# Altium PCB BMS_Slave-X+Y.PcbDoc (part 3 of 3)
Units mil, origin at the board's own origin, x right, y up, seen from the top; angles counter-clockwise.
Board outline 10980 x 2910 mil, 2 copper layers (Top Layer, Bottom Layer); 344 components, 227 nets, 912 pads, 532 vias.
Unrouted connection lines stored in the file: 1.
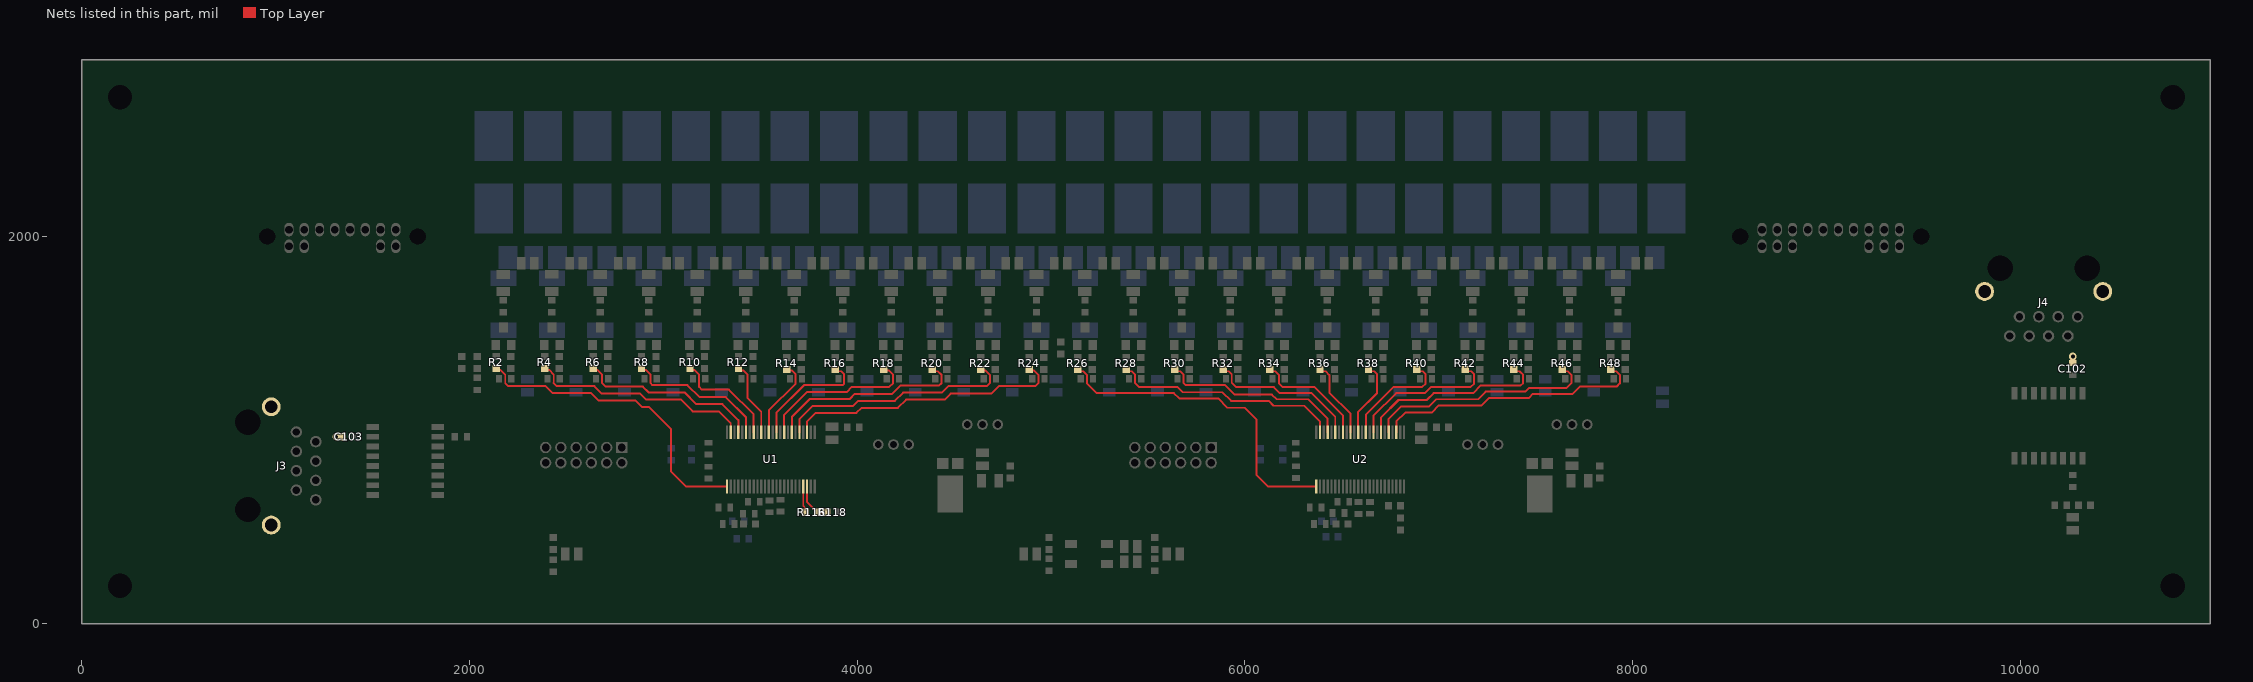
[diagram p3: the nets of this part, all layers, seen from the top]

## Via types
v1: diameter 25, hole 16, Top Layer to Bottom Layer, tented both sides, 246 vias
v2: diameter 39, hole 20, Top Layer to Bottom Layer, tented both sides, 183 vias
v3: diameter 25, hole 12, Top Layer to Bottom Layer, tented both sides, 62 vias
v4: diameter 39, hole 20, Top Layer to Bottom Layer, tented bottom, 25 vias
v5: diameter 25, hole 16, Top Layer to Bottom Layer, tented bottom, 12 vias
v6: diameter 50, hole 25, Top Layer to Bottom Layer, tented bottom, 4 vias

## Nets (pads, with @x,y where several pads share a name; then routed paths per layer and width w, separated by ;. In a path a pad name is that pad's centre, name@x,y a point inside that pad or via, vN(x,y) a via of type N, cw(c..) or ccw(c..) an arc to the next point about the centre after c; other vN are vias at no path point) (continued)
NetR116_1: R116.1 U1.45 | length 139.6
  Top Layer w10: U1.45@3721.73,708.9 3721.73,608.27 3735.5,594.5 R116.1@3735.5,575
NetR116_2: R116.2 R118.1 U1.46 | length 206.9
  Top Layer w10: U1.46@3741.42,708.9 3741.42,628.08 3794.5,575 R118.1@3845.5,575
S1: R2.1 U1.25 | length 1597.7
  Top Layer w10: R2.1@2137.6,1319.16 2148.1,1308.66 2161.29,1308.66 2184.4,1285.55 2184.4,1241.78 2200,1226.18 2392.48,1226.18 2428.48,1190.18 2627.54,1190.18 2666.06,1151.66 2857,1151.66 2890,1118.66 2926.34,1118.66 3040,1005 3040,785 3116.1,708.9 U1.25@3328.03,708.9
S2: R4.1 U1.23 | length 1150.1
  Top Layer w10: R4.1@2387.6,1319.16 R4.1@2396.81,1309.95 ; R4.1@2397.05,1310.18 2410.24,1310.18 2434.64,1285.78 2434.64,1243.55 ; 2433.5,1242.5 2449.82,1226.18 2644.64,1226.18 2683.16,1187.66 2880,1187.66 2910,1157.66 3090.54,1157.66 3151.54,1096.66 3286.71,1096.66 3347.72,1035.66 U1.23@3347.72,988.43
S3: R6.1 U1.21 | length 948.7
  Top Layer w10: R6.1@2637.6,1319.16 2647.46,1309.3 2660.64,1309.3 2674.79,1295.16 2684.4,1285.55 2684.4,1241.78 2702.52,1223.66 2895,1223.66 2925,1193.66 3111,1193.66 3171,1133.66 3304.24,1133.66 3387.09,1050.82 U1.21@3387.09,988.43
S4: R8.1 U1.19 | length 746.7
  Top Layer w10: R8.1@2887.6,1319.16 2897.46,1309.3 2910.64,1309.3 2934.4,1285.55 2934.4,1241.78 2944.02,1232.16 2980.79,1232.16 2980.88,1232.26 3124.54,1232.26 3187.14,1169.66 3322.28,1169.66 3426.46,1065.49 U1.19@3426.46,988.43
S5: R10.1 U1.17 | length 555.8
  Top Layer w10: R10.1@3137.6,1319.16 3146.81,1309.95 3160,1309.95 3185,1284.95 3185,1222.72 3199.05,1208.66 3337.91,1208.66 3465.83,1080.75 U1.17@3465.83,988.43
S6: R12.1 U1.15 | length 387.2
  Top Layer w10: R12.1@3387.6,1319.16 3398.6,1308.16 3411.79,1308.16 3435,1284.95 3435,1164.33 3505.2,1094.13 U1.15@3505.2,988.43
S7: R14.1 U1.13 | length 412
  Top Layer w10: U1.13@3544.57,988.43 3544.57,1101.94 3682.4,1239.78 3682.4,1287.55 3661.79,1308.16 3643.6,1308.16 R14.1@3637.6,1314.16
S8: R16.1 U1.11 | length 615.9
  Top Layer w10: U1.11@3583.94,988.43 3584.72,989.2 3584.72,1091.18 3725.7,1232.16 3924.79,1232.16 3932.4,1239.78 3932.4,1287.55 3916.79,1303.16 3898.6,1303.16 R16.1@3887.6,1314.16
S9: R18.1 U1.9 | length 821.9
  Top Layer w10: U1.9@3623.31,988.43 3623.31,1078.86 3740.61,1196.16 3946.1,1196.16 3972.31,1222.38 4165,1222.38 4185,1242.38 4185,1284.95 4161.79,1308.16 4143.6,1308.16 R18.1@4137.6,1314.16
S10: R20.1 U1.7 | length 1025.8
  Top Layer w10: U1.7@3662.68,988.43 3662.68,1067.32 3755.52,1160.16 3961.01,1160.16 3987.22,1186.38 4179.91,1186.38 4222.2,1228.66 4421.29,1228.66 4435,1242.38 4435,1284.95 4416.79,1303.16 4398.6,1303.16 R20.1@4387.6,1314.16
S11: R22.1 U1.5 | length 1229.7
  Top Layer w10: U1.5@3702.05,988.43 3702.05,1055.78 3770.43,1124.16 3978.79,1124.16 4005,1150.38 4194.82,1150.38 4237.11,1192.66 4436.2,1192.66 4471.6,1228.06 4670.69,1228.06 4685,1242.38 4685,1284.95 4661.79,1308.16 4643.6,1308.16 R22.1@4637.6,1314.16
S12: R24.1 U1.3 | length 1433.5
  Top Layer w10: U1.3@3741.42,988.43 3741.42,1044.23 3785.34,1088.16 3996.24,1088.16 4022.46,1114.38 4209.73,1114.38 4252.02,1156.66 4451.11,1156.66 4482.11,1187.66 4692.66,1187.66 4732.38,1227.38 4920,1227.38 4935,1242.38 4935,1284.95 4911.79,1308.16 4893.6,1308.16 R24.1@4887.6,1314.16
S13: R26.1 U2.25 | length 1674.8
  Top Layer w10: R26.1@5137.6,1314.16 5148.6,1303.16 5166.79,1303.16 5186.4,1283.55 5186.4,1239.78 5235.18,1191 5634.03,1191 5662.03,1163 5862,1163 5910,1115 6000,1115 6061.16,1053.84 6061.16,767.07 6119.33,708.9 U2.25@6368.03,708.9
S14: R28.1 U2.23 | length 1192.8
  Top Layer w10: R28.1@5387.6,1314.16 5398.6,1303.16 5416.79,1303.16 5432.4,1287.55 5432.4,1243.78 5453.18,1223 5650.55,1223 5678.55,1195 5884.5,1195 5929.5,1150 6123.04,1150 6147.76,1125.28 6305.63,1125.28 6387.72,1043.19 U2.23@6387.72,988.43
S15: R30.1 U2.21 | length 990.9
  Top Layer w10: R30.1@5637.6,1314.16 5648.6,1303.16 5666.79,1303.16 5682.98,1286.97 5682.98,1243.2 5694.02,1232.16 5898.76,1232.16 5948.37,1182.55 6139.82,1182.55 6163.37,1159 6326.28,1159 6427.09,1058.19 U2.21@6427.09,988.43
S16: R32.1 U2.19 | length 786.4
  Top Layer w10: R32.1@5887.6,1314.16 5898.6,1303.16 5916.79,1303.16 5932.4,1287.55 5932.4,1243.78 5955,1221.18 6149.75,1221.18 6179.92,1191 6344,1191 6466.46,1068.54 U2.19@6466.46,988.43
S17: R34.1 U2.17 | length 589.8
  Top Layer w10: R34.1@6127.6,1314.16 6138.6,1303.16 6156.79,1303.16 6176.4,1283.55 6176.4,1239.78 6193.18,1223 6358.4,1223 6505.83,1075.57 U2.17@6505.83,988.43
S18: R36.1 U2.15 | length 401.7
  Top Layer w10: R36.1@6387.6,1314.16 6398.6,1303.16 6416.79,1303.16 6436.4,1283.55 6436.4,1192.11 6545.2,1083.32 U2.15@6545.2,988.43
S19: R38.1 U2.13 | length 395.5
  Top Layer w10: U2.13@6584.57,988.43 6584.57,1093.28 6682.4,1191.12 6682.4,1287.55 6666.79,1303.16 6648.6,1303.16 R38.1@6637.6,1314.16
S20: R40.1 U2.11 | length 569.2
  Top Layer w10: U2.11@6623.94,988.43 6623.94,1078.94 6767.1,1222.1 6914.73,1222.1 6932.4,1239.78 6932.4,1287.55 6916.79,1303.16 6898.6,1303.16 R40.1@6887.6,1314.16
S21: R42.1 U2.9 | length 776.4
  Top Layer w10: U2.9@6663.31,988.43 6663.31,1073.05 6780.36,1190.1 6927.98,1190.1 6960.6,1222.72 7165.34,1222.72 7182.4,1239.78 7182.4,1287.55 7166.79,1303.16 7148.6,1303.16 R42.1@7137.6,1314.16
S22: R44.1 U2.7 | length 984.5
  Top Layer w10: U2.7@6702.68,988.43 6702.68,1065.05 6792.63,1155 6938.13,1155 6973.85,1190.72 7178.6,1190.72 7217.88,1230 7422.62,1230 7435,1242.38 7435,1284.95 7416.79,1303.16 7398.6,1303.16 R44.1@7387.6,1314.16
S23: R46.1 U2.5 | length 1190.4
  Top Layer w10: U2.5@6742.05,988.43 6742.05,1057.05 6807.45,1122.45 6950.84,1122.45 6987.11,1158.72 7203.22,1158.72 7242.51,1198 7446,1198 7466,1218 7660.62,1218 7685,1242.38 7685,1284.95 7666.79,1303.16 7648.6,1303.16 R46.1@7637.6,1314.16
S24: R48.1 U2.3 | length 1395
  Top Layer w10: U2.3@6781.42,988.43 6781.42,1044.54 6827.33,1090.45 6964.1,1090.45 7000.36,1126.72 7221.14,1126.72 7260.43,1166 7465.9,1166 7485.9,1186 7691,1186 7730,1225 7919.77,1225 7935,1240.23 7935,1284.95 7916.79,1303.16 7898.6,1303.16 R48.1@7887.6,1314.16
SHIELD1: C103.2 J3.9 J3.10 | length 33
  Top Layer w30: v2(1312.61,965.23) 1312.73,965.12 1345.38,965.12 C103.2@1345.5,965
SHIELD2: C102.2 J4.9 J4.10 | length 33.3
  Top Layer w20: C102.2@10271,1346.42 C102.2@10271.23,1346.65 ; v2@10271.23,1379.31 v2(10271.47,1379.54)
  Top Layer w30: C102.2@10271.23,1346.65 v2@10271.23,1379.31
pads on no net: J1.11 J1.12 J2.11 J2.12 J3.3 J3.4 J3.5 J3.6 J3.7 J3.8 J3.MH1 J3.MH2 J4.3 J4.4 J4.5 J4.6 J4.7 J4.8 J4.MH1 J4.MH2 P1.0 P2.0 P2.1 P2.2 P2.3 T1.4 T1.5 T1.6 T1.7 T1.8 T1.9 T1.10 T1.11 T1.12 T1.13 T2.4 T2.5 T2.6 T2.7 T2.8 T2.9 T2.10 T2.11 T2.12 T2.13 U1.39 U1.43 U1.44 U2.39 U2.43 U2.44

## Polygon pours and split planes (outlines as drawn)
GNDB on Bottom Layer "Bottom Layer-GNDB" (solid, pour order 213): 5228,5 10430,5 10430,885 9455.97,885 9246.29,1141.1 7958.9,1141.1 7885,1215 5228,1215 5143,1250 5108.12,1325.12 5074,1307 5077.87,1255.15 5228,947.95
SHIELD1 on Bottom Layer "Bottom-GND_EARTH 1" (solid, remove dead copper, pour order 429): 1457.08,1231 1457.08,401 370,401 370,1231
SHIELD2 on Bottom Layer "Bottom-GND_EARTH 1" (solid, remove dead copper, pour order 425): 10537,1234.84 9707,1234.84 9707,2321.92 10537,2321.92
GNDA on Bottom Layer "Bottom Layer-GNDA" (solid, remove dead copper, pour order 210): 1806,1349 1980,1349 2097.5,1219 4995,1219 5050,1201.5 5175,937.37 5175,5 1806,5
NetQ12_3 on Bottom Layer "Bottom-N18852330" (solid, remove dead copper, pour order 191): 4848.23,1432.6 4954.09,1432.6 5001.77,1485.7 5001.77,1612.6 4848.23,1612.6
NetC69_1 on Bottom Layer "Buttom Layer-NetC69_1" (solid, pour order 212): 7438.1,700 7586.05,700 7636.05,650 8101,650 8101,435 7438.1,435
NetC70_1 on Bottom Layer "Buttom Layer-NetC70_1" (solid, pour order 209): 4429.92,725 4540,725 4583.43,681.57 4805,681.57 4890,775.03 4890,985 5103.85,985 5120,948.98 5120,550.95 4429.92,550.95
NetQ24_3 on Bottom Layer "Bottom-N18852330" (solid, remove dead copper, pour order 202): 7848.23,1435.1 8001.77,1435.1 8001.77,1615.1 7848.23,1615.1
CELL16 on Bottom Layer "Bottom-N17555838" (solid, remove dead copper, pour order 204): 6251.77,1921.16 6098.23,1921.16 6098.23,1741.16 6251.77,1741.16
NetQ17_3 on Bottom Layer "Bottom-N18852330" (solid, remove dead copper, pour order 203): 6098.23,1435.1 6251.77,1435.1 6251.77,1615.1 6098.23,1615.1
NetQ23_3 on Bottom Layer "Bottom-N18852330" (solid, remove dead copper, pour order 201): 7598.23,1435.1 7751.77,1435.1 7751.77,1615.1 7598.23,1615.1
NetQ22_3 on Bottom Layer "Bottom-N18852330" (solid, remove dead copper, pour order 200): 7348.23,1435.1 7501.77,1435.1 7501.77,1615.1 7348.23,1615.1
NetQ21_3 on Bottom Layer "Bottom-N18852330" (solid, remove dead copper, pour order 199): 7098.23,1435.1 7251.77,1435.1 7251.77,1615.1 7098.23,1615.1
NetQ20_3 on Bottom Layer "Bottom-N18852330" (solid, remove dead copper, pour order 198): 6848.23,1435.1 7001.77,1435.1 7001.77,1615.1 6848.23,1615.1
NetQ19_3 on Bottom Layer "Bottom-N18852330" (solid, remove dead copper, pour order 197): 6598.23,1435.1 6751.77,1435.1 6751.77,1615.1 6598.23,1615.1
NetQ18_3 on Bottom Layer "Bottom-N18852330" (solid, remove dead copper, pour order 196): 6348.23,1435.1 6501.77,1435.1 6501.77,1615.1 6348.23,1615.1
NetQ16_3 on Bottom Layer "Bottom-N18852330" (solid, remove dead copper, pour order 195): 5848.23,1435.1 6001.77,1435.1 6001.77,1615.1 5848.23,1615.1
NetQ15_3 on Bottom Layer "Bottom-N18852330" (solid, remove dead copper, pour order 194): 5598.23,1435.1 5751.77,1435.1 5751.77,1615.1 5598.23,1615.1
NetQ14_3 on Bottom Layer "Bottom-N18852330" (solid, remove dead copper, pour order 193): 5348.23,1435.1 5501.77,1435.1 5501.77,1615.1 5348.23,1615.1
NetQ13_3 on Bottom Layer "Bottom-N18852330" (solid, remove dead copper, pour order 192): 5098.23,1435.1 5251.77,1435.1 5251.77,1615.1 5098.23,1615.1
NetQ11_3 on Bottom Layer "Bottom-N18852330" (solid, remove dead copper, pour order 190): 4598.23,1432.6 4751.77,1432.6 4751.77,1612.6 4598.23,1612.6
NetQ10_3 on Bottom Layer "Bottom-N18852330" (solid, remove dead copper, pour order 189): 4348.23,1432.6 4501.77,1432.6 4501.77,1612.6 4348.23,1612.6
NetQ9_3 on Bottom Layer "Bottom-N18852330" (solid, remove dead copper, pour order 188): 4098.23,1432.6 4251.77,1432.6 4251.77,1612.6 4098.23,1612.6
NetQ8_3 on Bottom Layer "Bottom-N18852330" (solid, remove dead copper, pour order 187): 3848.23,1432.6 4001.77,1432.6 4001.77,1612.6 3848.23,1612.6
NetQ7_3 on Bottom Layer "Bottom-N18852330" (solid, remove dead copper, pour order 186): 3598.23,1432.6 3751.77,1432.6 3751.77,1612.6 3598.23,1612.6
NetQ6_3 on Bottom Layer "Bottom-N18852330" (solid, remove dead copper, pour order 185): 3348.23,1432.6 3501.77,1432.6 3501.77,1612.6 3348.23,1612.6
NetQ5_3 on Bottom Layer "Bottom-N18852330" (solid, remove dead copper, pour order 184): 3098.23,1432.6 3251.77,1432.6 3251.77,1612.6 3098.23,1612.6
NetQ4_3 on Bottom Layer "Bottom-N18852330" (solid, remove dead copper, pour order 183): 2848.23,1432.6 3001.77,1432.6 3001.77,1612.6 2848.23,1612.6
NetQ3_3 on Bottom Layer "Bottom-N18852330" (solid, remove dead copper, pour order 182): 2598.23,1432.6 2751.77,1432.6 2751.77,1612.6 2598.23,1612.6
NetQ2_3 on Bottom Layer "Bottom-N18852330" (solid, remove dead copper, pour order 181): 2348.23,1432.6 2501.77,1432.6 2501.77,1612.6 2348.23,1612.6
NetQ1_3 on Bottom Layer "Bottom-N18852330" (solid, remove dead copper, pour order 180): 2098.23,1432.6 2251.77,1432.6 2251.77,1612.6 2098.23,1612.6
CELL12 on Bottom Layer "Bottom-N17555838" (solid, remove dead copper, pour order 179): 5251.77,1921.16 5098.23,1921.16 5098.23,1741.16 5251.77,1741.16
CELL13 on Bottom Layer "Bottom-N17555838" (solid, remove dead copper, pour order 178): 5501.77,1921.16 5348.23,1921.16 5348.23,1741.16 5501.77,1741.16
CELL14 on Bottom Layer "Bottom-N17555838" (solid, remove dead copper, pour order 177): 5751.77,1921.16 5598.23,1921.16 5598.23,1741.16 5751.77,1741.16
CELL15 on Bottom Layer "Bottom-N17555838" (solid, remove dead copper, pour order 176): 6001.77,1921.16 5848.23,1921.16 5848.23,1741.16 6001.77,1741.16
CELL17 on Bottom Layer "Bottom-N17555838" (solid, remove dead copper, pour order 175): 6501.77,1921.16 6348.23,1921.16 6348.23,1741.16 6501.77,1741.16
CELL18 on Bottom Layer "Bottom-N17555838" (solid, remove dead copper, pour order 174): 6751.77,1921.16 6598.23,1921.16 6598.23,1741.16 6751.77,1741.16
CELL19 on Bottom Layer "Bottom-N17555838" (solid, remove dead copper, pour order 173): 7001.77,1921.16 6848.23,1921.16 6848.23,1741.16 7001.77,1741.16
CELL20 on Bottom Layer "Bottom-N17555838" (solid, remove dead copper, pour order 172): 7251.77,1921.16 7098.23,1921.16 7098.23,1741.16 7251.77,1741.16
CELL21 on Bottom Layer "Bottom-N17555838" (solid, remove dead copper, pour order 171): 7501.77,1921.16 7348.23,1921.16 7348.23,1741.16 7501.77,1741.16
CELL22 on Bottom Layer "Bottom-N17555838" (solid, remove dead copper, pour order 170): 7751.77,1921.16 7598.23,1921.16 7598.23,1741.16 7751.77,1741.16
CELL23 on Bottom Layer "Bottom-N17555838" (solid, remove dead copper, pour order 169): 8001.77,1921.16 7848.23,1921.16 7848.23,1741.16 8001.77,1741.16
CELL11 on Bottom Layer "Bottom-N17555838" (solid, remove dead copper, pour order 168): 5001.77,1918.66 4848.23,1918.66 4848.23,1738.66 5001.77,1738.66
CELL10 on Bottom Layer "Bottom-N17555838" (solid, remove dead copper, pour order 167): 4751.77,1918.66 4598.23,1918.66 4598.23,1738.66 4751.77,1738.66
CELL9 on Bottom Layer "Bottom-N17555838" (solid, remove dead copper, pour order 166): 4501.77,1918.66 4348.23,1918.66 4348.23,1738.66 4501.77,1738.66
CELL8 on Bottom Layer "Bottom-N17555838" (solid, remove dead copper, pour order 165): 4251.77,1918.66 4098.23,1918.66 4098.23,1738.66 4251.77,1738.66
CELL7 on Bottom Layer "Bottom-N17555838" (solid, remove dead copper, pour order 164): 4001.77,1918.66 3848.23,1918.66 3848.23,1738.66 4001.77,1738.66
CELL6 on Bottom Layer "Bottom-N17555838" (solid, remove dead copper, pour order 163): 3751.77,1918.66 3598.23,1918.66 3598.23,1738.66 3751.77,1738.66
CELL5 on Bottom Layer "Bottom-N17555838" (solid, remove dead copper, pour order 162): 3501.77,1918.66 3348.23,1918.66 3348.23,1738.66 3501.77,1738.66
CELL4 on Bottom Layer "Bottom-N17555838" (solid, remove dead copper, pour order 161): 3251.77,1918.66 3098.23,1918.66 3098.23,1738.66 3251.77,1738.66
CELL3 on Bottom Layer "Bottom-N17555838" (solid, remove dead copper, pour order 160): 3001.77,1918.66 2848.23,1918.66 2848.23,1738.66 3001.77,1738.66
CELL2 on Bottom Layer "Bottom-N17555838" (solid, remove dead copper, pour order 159): 2751.77,1918.66 2598.23,1918.66 2598.23,1738.66 2751.77,1738.66
CELL1 on Bottom Layer "Bottom-N17555838" (solid, remove dead copper, pour order 158): 2501.77,1918.66 2348.23,1918.66 2348.23,1738.66 2501.77,1738.66
CELL0 on Bottom Layer "Bottom-N17555838" (solid, remove dead copper, pour order 157): 2251.77,1918.66 2098.23,1918.66 2098.23,1738.66 2251.77,1738.66
GNDA on Top Layer "Top Layer-GNDB 2" (solid, pour order 427): 2208,379.75 2208,919 2134,989 2077.57,989 2025.15,1045 1805,1045 1805,1110.75 2171,1110.75 2332,966 2332,604 2401,547 2632.39,547.3 2765.91,421 3493.9,421 3599.9,527 3627.87,527 3627.87,501.87 3505.75,379.75 2677.25,379.75 2607,450 2465,450 2465,471 2401,471 2401,379.75
GNDB on Top Layer "Top Layer-GNDB 2" (solid, pour order 421): 5225,444.96 5225,510.12 5891.88,510.12 5980,422 6541,422 6635.09,516.09 6635,522.43 6668.1,522.43 6668.54,521.99 6668.54,493.17 6556.12,380.75 5758.04,380.75 5690,448.79 5572,448.79 5572,472 5500,472 5500,444.96
GNDB on Top Layer "Top Layer-GNDB 1" (solid, pour order 423): 5225,269.68 5225,206.25 5896.25,206.25 5971.14,281.14 6597.47,281 6758.27,441.8 6758.13,560 6717.13,560 6717.13,473.04 6576.25,332.16 5762.69,332.16 5702.37,271.84 5572,271.84 5572,249 5500,249 5500,269.68
GNDA on Top Layer "Top Layer-GNDA 1" (solid, pour order 419): 3849.51,603.15 3934.75,603.15 3934.75,661.74 3935.5,662.48 3849.51,662.48
GNDA on Top Layer "Top Layer-GNDA 2" (solid, pour order 417): 5178.96,270.26 5178.96,206.25 4329.9,206.25 4260,276.16 3928,603.15 3788,603.15 3756.71,634.42 3756.71,660 3800,660 3800,749.76 3906.4,749.89 4321.15,335.87 4768.94,334.71 4833.39,270.26 4951,270.26 4951,249 5028,249 5028,270.26
GNDA on Top Layer "Top Layer-GNDA 4" (solid, pour order 405): 5178.46,449.13 5178.46,510.12 4364.58,510.12 4039.71,835 3732.73,835 3702.05,803.71 3702.05,801.03 3702.05,778.37 3750.36,778.37 3772.16,800.17 3930.27,800.17 4344.33,386.11 4769.12,386.11 4832.15,449.13 4951,449.13 4951,478 5028,478 5028,449.13
NetC69_1 on Top Layer "Buttom Layer-NetC69_1" (solid, pour order 211): 7438.1,700 7586.05,700 7636.05,650 8100,650 8100,435 7438.1,435
NetC70_1 on Top Layer "Buttom Layer-NetC70_1" (solid, pour order 227): 4429.92,725 4540,725 4583.43,681.57 4805,681.57 4890,775.03 4890,1065 5067.97,1065 5120,948.98 5120,550.95 4429.92,550.95

## Keep-outs
Top Layer:
  region: 4760,538.74 5164.4,538.74 5164.4,521.05 4760,521.05
  region: 5177.41,514.57
  region: 6693.31,789.65 6755,789.65 6755,771.34 6741.42,757.76 6663.7,757.76
Keep-Out Layer:
  circle w10: c10787.4,2716.54 r120.46
  circle w10: c10787.4,196.85 r120.46
  circle w10: c196.85,196.85 r120.46

## Other copper
Top Layer:
  pour cut-out: 116,2033.78
  pour cut-out: 3783,590.39 3783,603.15 3862.96,603.15 3865.45,600.67 3865.45,590.39
  pour cut-out: 6620,610 6667.04,610 6668.71,608.33 6668.71,588.24 6620,588.24
  pour cut-out: 3753.85,749.76 3800,749.76 3800,662.48 3797.52,660 3753.85,660
  pour cut-out: 6711.63,667.46 6758.21,667.46 6758.21,571.35 6712.57,571.35
  pour cut-out: 5373.47,285.85 5373.47,434.15 5689.35,434.15 5760,363.5 5760,349.46 5696.39,285.85
  pour cut-out: 3702.05,778.37 3752.01,778.37 3745.81,772.17 3745.81,750.33 3702.05,750.33
  pour cut-out: 4859.96,444.96 5178.46,444.96 5179.42,512.34 5225,512.34 5225,444.96 5510.82,444.96 5510.82,269.68 5225,269.68 5225,201.68 5178.96,202.23 5178.96,269.68 4865.32,269.68 4775,360
  region net C12: 4996,1302 5000.52,1306 5049.48,1306 5054,1302 5054,1263.66 4996,1263.66
  region net C24: 8115,1255.15 8195,1255.15 8195,1182 8115,1182
  region net C23: 7760,1313.81 7840,1313.81 7840,1263.66 7760,1263.66
  region net C22: 7510,1313.81 7590,1313.81 7590,1263.66 7510,1263.66
  region net C21: 7260,1313.81 7340,1313.81 7340,1263.66 7260,1263.66
  region net C20: 7010,1313.81 7090,1313.81 7090,1263.66 7010,1263.66
  region net C19: 6760,1313.81 6840,1313.81 6840,1263.66 6760,1263.66
  region net C18: 6510,1313.81 6590,1313.81 6590,1263.66 6510,1263.66
  region net C17: 6260,1313.81 6340,1313.81 6340,1263.66 6260,1263.66
  region net C16: 6010,1313.81 6090,1313.81 6090,1263.66 6010,1263.66
  region net C15: 5760,1313.81 5840,1313.81 5840,1263.66 5760,1263.66
  region net C14: 5510,1313.81 5590,1313.81 5590,1263.66 5510,1263.66
  region net C13: 5260,1313.81 5340,1313.81 5340,1263.66 5260,1263.66
  region net C11: 4760,1313.81 4840,1313.81 4840,1263.66 4760,1263.66
  region net C10: 4510,1313.81 4590,1313.81 4590,1263.66 4510,1263.66
  region net C9: 4260,1313.81 4340,1313.81 4340,1263.66 4260,1263.66
  region net C8: 4010,1313.81 4090,1313.81 4090,1263.66 4010,1263.66
  region net C7: 3760,1313.81 3840,1313.81 3840,1263.66 3760,1263.66
  region net C6: 3510,1313.81 3590,1313.81 3590,1263.66 3510,1263.66
  region net C5: 3260,1313.81 3340,1313.81 3340,1263.66 3260,1263.66
  region net C4: 3010,1313.81 3090,1313.81 3090,1263.66 3010,1263.66
  region net C3: 2760,1313.81 2840,1313.81 2840,1263.66 2760,1263.66
  region net C2: 2510,1313.81 2590,1313.81 2590,1263.66 2510,1263.66
  region net C1: 2260,1313.81 2340,1313.81 2340,1263.66 2260,1263.66
  region net CELL_UF_24: 8355,2848 8075,2848 8075,2803 8355,2803
  region net CELL_UF_23: 7825.45,2730 8025,2730 8025,2850 7825.45,2850
  region net CELL_UF_22: 7575.45,2730 7775,2730 7775,2850 7575.45,2850
  region net CELL_UF_21: 7325.45,2730 7525,2730 7525,2850 7325.45,2850
  region net CELL_UF_20: 7075.45,2730 7275,2730 7275,2850 7075.45,2850
  region net CELL_UF_19: 6825.45,2730 7025,2730 7025,2850 6825.45,2850
  region net CELL_UF_18: 6575.45,2730 6775,2730 6775,2850 6575.45,2850
  region net CELL_UF_17: 6325.45,2730 6525,2730 6525,2850 6325.45,2850
  region net CELL_UF_16: 6075.45,2730 6275,2730 6275,2850 6075.45,2850
  region net CELL_UF_15: 5825.45,2730 6025,2730 6025,2850 5825.45,2850
  region net CELL_UF_14: 5575.45,2730 5775,2730 5775,2850 5575.45,2850
  region net CELL_UF_13: 5325.45,2730 5525,2730 5525,2850 5325.45,2850
  region net CELL_UF_12: 5075.45,2730 5275,2730 5275,2850 5075.45,2850
  region net CELL_UF_11: 4825.45,2730 5025,2730 5025,2850 4825.45,2850
  region net CELL_UF_10: 4570.91,2730 4770.45,2730 4770.45,2850 4570.91,2850
  region net CELL_UF_9: 4316.36,2730 4515.91,2730 4515.91,2850 4316.36,2850
  region net CELL_UF_8: 4061.82,2730 4261.36,2730 4261.36,2850 4061.82,2850
  region net CELL_UF_7: 3807.27,2730 4006.82,2730 4006.82,2850 3807.27,2850
  region net CELL_UF_6: 3552.73,2730 3752.27,2730 3752.27,2850 3552.73,2850
  region net CELL_UF_5: 3298.18,2730 3497.73,2730 3497.73,2850 3298.18,2850
  region net CELL_UF_4: 3043.64,2730 3243.18,2730 3243.18,2850 3043.64,2850
  region net CELL_UF_3: 2789.09,2730 2988.64,2730 2988.64,2850 2789.09,2850
  region net CELL_UF_2: 2534.55,2730 2734.09,2730 2734.09,2850 2534.55,2850
  region net CELL_UF_1: 2280,2730 2479.55,2730 2479.55,2850 2280,2850
  region net CELL_UF_0: 1945,2805 2225,2805 2225,2850 1945,2850
  region net GNDB: 6623.12,578.63 6668,578.63 6668,532.63 6623.12,532.63
  region net GNDB: 6564.12,577.63 6612.23,577.63 6612.23,531.63 6564.12,531.63
  region net GNDA: 3580.7,589 3627.96,589 3627.96,543 3580.7,543
  region net GNDA: 3524.88,585 3573,585 3573,539 3524.88,539
  region net CELL24: 8082.48,1800 8165.16,1800 8165.16,1862.41 8082.48,1862.41
  region net CELL22: 7582.48,1770.45 7665.16,1770.45 7665.16,1862.41 7582.48,1862.41
  region net CELL1: 2332.48,1767.95 2425,1767.95 2425,1859.91 2332.48,1859.91
  region net CELL2: 2582.48,1767.95 2675,1767.95 2675,1859.91 2582.48,1859.91
  region net CELL3: 2832.48,1767.95 2925,1767.95 2925,1859.91 2832.48,1859.91
  region net CELL4: 3082.48,1767.95 3175,1767.95 3175,1859.91 3082.48,1859.91
  region net CELL5: 3332.48,1767.95 3425,1767.95 3425,1859.91 3332.48,1859.91
  region net CELL6: 3582.48,1767.95 3675,1767.95 3675,1859.91 3582.48,1859.91
  region net CELL7: 3832.48,1767.95 3925,1767.95 3925,1859.91 3832.48,1859.91
  region net CELL8: 4082.48,1767.95 4175,1767.95 4175,1859.91 4082.48,1859.91
  region net CELL11: 4832.48,1767.95 4925,1767.95 4925,1859.91 4832.48,1859.91
  region net CELL10: 4582.48,1767.95 4675,1767.95 4675,1859.91 4582.48,1859.91
  region net CELL9: 4332.48,1767.95 4425,1767.95 4425,1859.91 4332.48,1859.91
  region net CELL12: 5082.48,1770.45 5165.16,1770.45 5165.16,1862.41 5082.48,1862.41
  region net CELL13: 5332.48,1770.45 5415.16,1770.45 5415.16,1862.41 5332.48,1862.41
  region net CELL14: 5582.48,1770.45 5665.16,1770.45 5665.16,1862.41 5582.48,1862.41
  region net CELL15: 5832.48,1770.45 5915.16,1770.45 5915.16,1862.41 5832.48,1862.41
  region net CELL16: 6082.48,1770.45 6165.16,1770.45 6165.16,1862.41 6082.48,1862.41
  region net CELL17: 6332.48,1770.45 6415.16,1770.45 6415.16,1862.41 6332.48,1862.41
  region net CELL18: 6582.48,1770.45 6665.16,1770.45 6665.16,1862.41 6582.48,1862.41
  region net CELL19: 6832.48,1770.45 6915.16,1770.45 6915.16,1862.41 6832.48,1862.41
  region net CELL21: 7332.48,1770.45 7415.16,1770.45 7415.16,1862.41 7332.48,1862.41
  region net CELL20: 7082.48,1770.45 7165.16,1770.45 7165.16,1862.41 7082.48,1862.41
  region net CELL24: 7981,1409.01 8065,1409.01 8065,1487 7981,1487
  region net NetQ24_3: 7860.91,1615.1 7940.91,1615.1 7940.91,1505.1 7860.91,1505.1 7860.91,1615.1
  region net NetQ23_3: 7610.91,1615.1 7690.91,1615.1 7690.91,1505.1 7610.91,1505.1 7610.91,1615.1
  region net NetQ22_3: 7360.91,1615.1 7440.91,1615.1 7440.91,1505.1 7360.91,1505.1 7360.91,1615.1
  region net NetQ21_3: 7110.91,1615.1 7190.91,1615.1 7190.91,1505.1 7110.91,1505.1 7110.91,1615.1
  region net NetQ20_3: 6860.91,1615.1 6940.91,1615.1 6940.91,1505.1 6860.91,1505.1 6860.91,1615.1
  region net NetQ19_3: 6610.91,1615.1 6690.91,1615.1 6690.91,1505.1 6610.91,1505.1 6610.91,1615.1
  region net NetQ18_3: 6360.91,1615.1 6440.91,1615.1 6440.91,1505.1 6360.91,1505.1 6360.91,1615.1
  region net NetQ17_3: 6110.91,1615.1 6190.91,1615.1 6190.91,1505.1 6110.91,1505.1 6110.91,1615.1
  region net NetQ16_3: 5860.91,1615.1 5940.91,1615.1 5940.91,1505.1 5860.91,1505.1 5860.91,1615.1
  region net NetQ15_3: 5610.91,1615.1 5690.91,1615.1 5690.91,1505.1 5610.91,1505.1 5610.91,1615.1
  region net NetQ14_3: 5360.91,1615.1 5440.91,1615.1 5440.91,1505.1 5360.91,1505.1 5360.91,1615.1
  region net NetQ13_3: 5110.91,1615.1 5190.91,1615.1 5190.91,1505.1 5110.91,1505.1 5110.91,1615.1
  region net NetQ12_3: 4860.91,1612.6 4940.91,1612.6 4940.91,1502.6 4860.91,1502.6 4860.91,1612.6
  region net NetQ11_3: 4610.91,1612.6 4690.91,1612.6 4690.91,1502.6 4610.91,1502.6 4610.91,1612.6
  region net NetQ10_3: 4360,1613.66 4440,1613.66 4440,1503.66 4360,1503.66 4360,1613.66
  region net NetQ9_3: 4110.91,1612.6 4190.91,1612.6 4190.91,1502.6 4110.91,1502.6 4110.91,1612.6
  region net NetQ8_3: 3860.91,1612.6 3940.91,1612.6 3940.91,1502.6 3860.91,1502.6 3860.91,1612.6
  region net NetQ7_3: 3610.91,1612.6 3690.91,1612.6 3690.91,1502.6 3610.91,1502.6 3610.91,1612.6
  region net NetQ6_3: 3360.91,1612.6 3440.91,1612.6 3440.91,1502.6 3360.91,1502.6 3360.91,1612.6
  region net NetQ5_3: 3110.91,1612.6 3190.91,1612.6 3190.91,1502.6 3110.91,1502.6 3110.91,1612.6
  region net NetQ4_3: 2860.91,1612.6 2940.91,1612.6 2940.91,1502.6 2860.91,1502.6 2860.91,1612.6
  region net NetQ3_3: 2610.91,1612.6 2690.91,1612.6 2690.91,1502.6 2610.91,1502.6 2610.91,1612.6
  region net NetQ1_3: 2110.91,1612.6 2190.91,1612.6 2190.91,1502.6 2110.91,1502.6 2110.91,1612.6
  region net NetQ2_3: 2361.14,1612.83 2441.14,1612.83 2441.14,1502.83 2361.14,1502.83 2361.14,1612.83
  region net CELL23: 7832.48,1770.45 7915.16,1770.45 7915.16,1851.16 7832.48,1851.16
  region net CELL22: 7582.48,1770.45 7665.16,1770.45 7665.16,1833.44 7582.48,1833.44 7582.48,1770.45
  region net CELL0: 2020,1767.95 2173.03,1767.95 2173.03,1878 2057,1878 2020,1836.52
Bottom Layer:
  region net CELL_UF_0: 2222,2850 2027,2850 2027,2626 2222,2626
  region net CELL_UF_1: 2477.5,2850 2282.5,2850 2282.5,2626 2477.5,2626
  region net CELL_UF_2: 2732.05,2850 2537.05,2850 2537.05,2626 2732.05,2626
  region net CELL_UF_3: 2986.59,2850 2791.59,2850 2791.59,2626 2986.59,2626
  region net CELL_UF_4: 3241.14,2850 3046.14,2850 3046.14,2626 3241.14,2626
  region net CELL_UF_5: 3495.68,2850 3300.68,2850 3300.68,2626 3495.68,2626
  region net CELL_UF_6: 3750.23,2850 3555.23,2850 3555.23,2626 3750.23,2626
  region net CELL_UF_7: 4004.77,2850 3809.77,2850 3809.77,2626 4004.77,2626
  region net CELL_UF_8: 4259.32,2850 4064.32,2850 4064.32,2626 4259.32,2626
  region net CELL_UF_9: 4513.86,2850 4318.86,2850 4318.86,2626 4513.86,2626
  region net CELL_UF_10: 4768.41,2850 4573.41,2850 4573.41,2626 4768.41,2626
  region net CELL_UF_11: 5022.95,2850 4827.95,2850 4827.95,2626 5022.95,2626
  region net CELL_UF_12: 5272.55,2850 5077.55,2850 5077.55,2626 5272.55,2626
  region net CELL_UF_13: 5522.55,2850 5327.55,2850 5327.55,2626 5522.55,2626
  region net CELL_UF_14: 5772.55,2850 5577.55,2850 5577.55,2626 5772.55,2626
  region net CELL_UF_15: 6022.55,2850 5827.55,2850 5827.55,2626 6022.55,2626
  region net CELL_UF_16: 6272.55,2850 6077.55,2850 6077.55,2626 6272.55,2626
  region net CELL_UF_17: 6522.55,2850 6327.55,2850 6327.55,2626 6522.55,2626
  region net CELL_UF_18: 6772.55,2850 6577.55,2850 6577.55,2626 6772.55,2626
  region net CELL_UF_19: 7022.55,2850 6827.55,2850 6827.55,2626 7022.55,2626
  region net CELL_UF_20: 7272.55,2850 7077.55,2850 7077.55,2626 7272.55,2626
  region net CELL_UF_21: 7522.55,2850 7327.55,2850 7327.55,2626 7522.55,2626
  region net CELL_UF_22: 7772.55,2850 7577.55,2850 7577.55,2626 7772.55,2626
  region net CELL_UF_24: 8272.5,2850 8077.5,2850 8077.5,2626 8272.5,2626
  region net CELL_UF_23: 8022.55,2850 7827.55,2850 7827.55,2626 8022.55,2626
  region net C12: 4996,1302 5000.52,1306 5049.48,1306 5054,1302 5054,1263.66 4996,1263.66
  region net C24: 8115,1255.15 8195,1255.15 8195,1205 8115,1205
  region net C23: 7760,1313.81 7840,1313.81 7840,1263.66 7760,1263.66
  region net C22: 7510,1313.81 7590,1313.81 7590,1263.66 7510,1263.66
  region net C21: 7260,1313.81 7340,1313.81 7340,1263.66 7260,1263.66
  region net C20: 7010,1313.81 7090,1313.81 7090,1263.66 7010,1263.66
  region net C19: 6760,1313.81 6840,1313.81 6840,1263.66 6760,1263.66
  region net C18: 6510,1313.81 6590,1313.81 6590,1263.66 6510,1263.66
  region net C17: 6260,1313.81 6340,1313.81 6340,1263.66 6260,1263.66
  region net C16: 6010,1313.81 6090,1313.81 6090,1263.66 6010,1263.66
  region net C15: 5760,1313.81 5840,1313.81 5840,1263.66 5760,1263.66
  region net C14: 5510,1313.81 5590,1313.81 5590,1263.66 5510,1263.66
  region net C13: 5260,1313.81 5340,1313.81 5340,1263.66 5260,1263.66
  region net C11: 4760,1313.81 4840,1313.81 4840,1263.66 4760,1263.66
  region net C10: 4510,1313.81 4590,1313.81 4590,1263.66 4510,1263.66
  region net C9: 4260,1313.81 4340,1313.81 4340,1263.66 4260,1263.66
  region net C8: 4010,1313.81 4090,1313.81 4090,1263.66 4010,1263.66
  region net C7: 3760,1313.81 3840,1313.81 3840,1263.66 3760,1263.66
  region net C6: 3510,1313.81 3590,1313.81 3590,1263.66 3510,1263.66
  region net C5: 3260,1313.81 3340,1313.81 3340,1263.66 3260,1263.66
  region net C4: 3010,1313.81 3090,1313.81 3090,1263.66 3010,1263.66
  region net C3: 2760,1313.81 2840,1313.81 2840,1263.66 2760,1263.66
  region net C2: 2510,1313.81 2590,1313.81 2590,1263.66 2510,1263.66
  region net C1: 2260,1313.81 2340,1313.81 2340,1263.66 2260,1263.66
  region net CELL_UF_24: 8355,2850 8077.5,2850 8077.5,2805 8355,2805
  region net CELL_UF_0: 1945,2805 2222.5,2805 2222.5,2850 1945,2850
  pour cut-out: 2068.62,2455 8280,2455 8280,2305 2070,2305

## Silkscreen, mask and mechanical layers (free items; w line width, h text height)
Top Overlay:
  drawing of 435 lines, arcs and shapes, not listed
  text "CELL24" at 8075,2673 h40
  text "CELL0" at 2030,2670 h40
  text "CELL1" at 2270,2670 h40
  text "CELL2" at 2524.55,2670 h40
  text "CELL3" at 2779.09,2670 h40
  text "CELL5" at 3288.18,2670 h40
  text "CELL6" at 3542.73,2670 h40
  text "CELL7" at 3797.27,2670 h40
  text "CELL8" at 4051.82,2670 h40
  text "CELL9" at 4306.36,2670 h40
  text "CELL10" at 4560.91,2670 h40
  text "CELL11" at 4815.45,2670 h40
  text "CELL12" at 5069.55,2670 h40
  text "CELL13" at 5319.55,2670 h40
  text "CELL14" at 5569.55,2670 h40
  text "CELL15" at 5819.55,2670 h40
  text "CELL16" at 6069.55,2670 h40
  text "CELL17" at 6319.55,2670 h40
  text "CELL18" at 6569.55,2670 h40
  text "CELL19" at 6819.55,2670 h40
  text "CELL20" at 7069.55,2670 h40
  text "CELL21" at 7319.55,2670 h40
  text "CELL22" at 7569.55,2670 h40
  text "CELL23" at 7819.55,2670 h40
  text "CELL4" at 3033.41,2668.66 h40
  text "- +" at 2150.45,2550 h60
  text "- +" at 2405,2550 h60
  text "- +" at 2659.55,2550 h60
  text "- +" at 2914.09,2550 h60
  text "- +" at 3423.18,2550 h60
  text "- +" at 3677.73,2550 h60
  text "- +" at 3932.27,2550 h60
  text "- +" at 4186.82,2550 h60
  text "- +" at 4441.36,2550 h60
  text "- +" at 4695.91,2550 h60
  text "- +" at 4950.45,2550 h60
  text "- +" at 5204.55,2550 h60
  text "- +" at 5454.55,2550 h60
  text "- +" at 5704.55,2550 h60
  text "- +" at 5954.55,2550 h60
  text "- +" at 6204.55,2550 h60
  text "- +" at 6454.55,2550 h60
  text "- +" at 6704.55,2550 h60
  text "- +" at 6954.55,2550 h60
  text "- +" at 7204.55,2550 h60
  text "- +" at 7454.55,2550 h60
  text "- +" at 7704.55,2550 h60
  text "- +" at 7954.55,2550 h60
  text "- +" at 3168.41,2548.66 h60
  text "5VMAX" at 2135.45,2475 h40
  text "5VMAX" at 2390,2475 h40
  text "5VMAX" at 2644.55,2475 h40
  text "5VMAX" at 2899.09,2475 h40
  text "5VMAX" at 3408.18,2475 h40
  text "5VMAX" at 3662.73,2475 h40
  text "5VMAX" at 3917.27,2475 h40
  text "5VMAX" at 4171.82,2475 h40
  text "5VMAX" at 4426.36,2475 h40
  text "5VMAX" at 4680.91,2475 h40
  text "5VMAX" at 4935.45,2475 h40
  text "5VMAX" at 5189.55,2475 h40
  text "5VMAX" at 5439.55,2475 h40
  text "5VMAX" at 5689.55,2475 h40
  text "5VMAX" at 5939.55,2475 h40
  text "5VMAX" at 6189.55,2475 h40
  text "5VMAX" at 6439.55,2475 h40
  text "5VMAX" at 6689.55,2475 h40
  text "5VMAX" at 6939.55,2475 h40
  text "5VMAX" at 7189.55,2475 h40
  text "5VMAX" at 7439.55,2475 h40
  text "5VMAX" at 7689.55,2475 h40
  text "5VMAX" at 7939.55,2475 h40
  text "5VMAX" at 3153.41,2473.66 h40
  text "BAT1" at 2138.45,2400 h45
  text "BAT2" at 2393,2400 h45
  text "BAT3" at 2647.55,2400 h45
  text "BAT4" at 2902.09,2400 h45
  text "BAT5" at 3156.41,2400 h45
  text "BAT6" at 3411.18,2400 h45
  text "BAT7" at 3665.73,2400 h45
  text "BAT8" at 3920.27,2400 h45
  text "BAT9" at 4174.82,2400 h45
  text "BAT10" at 4429.36,2400 h45
  text "BAT11" at 4683.91,2400 h45
  text "BAT12" at 4938.45,2400 h45
  text "BAT13" at 5192.55,2400 h45
  text "BAT14" at 5442.55,2400 h45
  text "BAT15" at 5692.55,2400 h45
  text "BAT16" at 5942.55,2400 h45
  text "BAT17" at 6192.55,2400 h45
  text "BAT18" at 6442.55,2400 h45
  text "BAT19" at 6692.55,2400 h45
  text "BAT20" at 6942.55,2400 h45
  text "BAT21" at 7192.55,2400 h45
  text "BAT22" at 7442.55,2400 h45
  text "BAT23" at 7692.55,2400 h45
  text "BAT24" at 7942.55,2400 h45
  text "12" at 2087.8,2324.94 h25 r180
  text "16" at 7483.95,2324.94 h25 r180
  text "5" at 2801.8,2319.94 h25 r180
  text "7" at 8355.42,2319.94 h25 r180
  text "CELL# Start From 0 To 24" at 4535,2235.76 h60 r180
  text "CELL# Start From 0 To 24" at 7061.82,2235.76 h60 r180
  text "2" at 2169.21,2225.37 h30 r180
  text "3" at 2247.95,2225.37 h30 r180
  text "4" at 2326.69,2225.37 h30 r180
  text "5" at 2405.43,2225.37 h30 r180
  text "6" at 2484.17,2225.37 h30 r180
  text "7" at 2562.91,2225.37 h30 r180
  text "8" at 2641.65,2225.37 h30 r180
  text "9" at 2720.39,2225.37 h30 r180
  text "15" at 7565.36,2225.37 h30 r180
  text "16" at 7644.1,2225.37 h30 r180
  text "17" at 7722.83,2225.37 h30 r180
  text "18" at 7801.57,2225.37 h30 r180
  text "19" at 7880.31,2225.37 h30 r180
  text "20" at 7962,2225.37 h30 r180
  text "21" at 8037.79,2225.37 h30 r180
  text "22" at 8116.53,2225.37 h30 r180
  text "23" at 8195.27,2225.37 h30 r180
  text "24" at 8274.01,2225.37 h30 r180
  text "CELL#" at 2562.91,2146.26 h50 r180
  text "CELL#" at 8037.79,2146.26 h50 r180
  text "1" at 2169.21,2138.76 h30 r180
  text "0" at 2247.95,2138.76 h30 r180
  text "11" at 2641.65,2138.76 h30 r180
  text "10" at 2720.39,2138.76 h30 r180
  text "14" at 7565.36,2138.76 h30 r180
  text "13" at 7644.1,2138.76 h30 r180
  text "12" at 7722.83,2138.76 h30 r180
  text "4" at 2087.8,2044.19 h25 r180
  text "6" at 7483.95,2044.19 h25 r180
  text "1" at 2801.8,2039.19 h25 r180
  text "1" at 8355.42,2039.19 h25 r180
  text "P1" at 2690.98,2020.35 h60 r180
  text "P2" at 8244.6,2020.35 h60 r180
  text "CELL# Start From 0 To 24" at 2997.27,2016.76 h60
  text "CELL# Start From 0 To 24" at 5524.09,2016.76 h60
  text "Chih-Chung,TSENG" at 10912.28,1900 h40 r90
  text "PORT B" at 10678,1359.76 h80 r90
  text "ON OFF" at 7583.54,1086.45 h40
  text "ON OFF" at 4534.43,1084 h40
  text "DTEN" at 4078.5,1048.41 h50
  text "DTEN" at 7118.6,1044.26 h50
  text "D49" at 7486.8,1036.45 h30 r90
  text "D50" at 4437.69,1034 h30 r90
  text "T1" at 2437.24,1016.38 h35
  text "T2" at 2512.24,1016.38 h35
  text "T3" at 2590.74,1016.38 h35
  text "T4" at 2669.24,1016.38 h35
  text "T5" at 2748.24,1016.38 h35
  text "T6" at 5476,1009.84 h35
  text "T7" at 5555,1009.84 h35
  text "T8" at 5633.5,1009.84 h35
  text "T9" at 5712,1009.84 h35
  text "T10" at 5791,1009.84 h35
  text "0 1" at 4119.35,983.08 h50
  text "0 1" at 7159.45,978.94 h50
  text "B" at 7556.24,912.5 h40
  text "B" at 4532.29,895.17 h40
  text "E" at 7413.95,880.82 h40
  text "T2" at 3057.24,871.57 h38
  text "T7" at 6100,865.04 h38
  text "E" at 4390,863.49 h40
  text "-t" at 2010,855.44 h38
  text "-t" at 5052.87,852.38 h38
  text "T1" at 2937.24,816.78 h38
  text "T6" at 5980,810.24 h38
  text "5V_A" at 4120,760 h50
  text "5V_B" at 7159.6,760 h50
  text "GNDB" at 7159.6,676.87 h50
  text "T1" at 2437.24,671.54 h35
  text "T2" at 2512.24,671.54 h35
  text "T3" at 2590.74,671.54 h35
  text "T4" at 2669.24,671.54 h35
  text "T5" at 2748.24,671.54 h35
  text "GNDA" at 4120,668.13 h50
  text "T6" at 5476,665 h35
  text "T7" at 5555,665 h35
  text "T8" at 5633.5,665 h35
  text "T9" at 5712,665 h35
  text "T10" at 5791,665 h35
  text "10k NTC" at 2160,611.51 h38
  text "10k NTC" at 5202.87,608.45 h38
  text "T3" at 2721.62,586.54 h38
  text "T4" at 2822.24,586.54 h38
  text "T5" at 2917.24,586.54 h38
  text "T8" at 5764.38,580 h38
  text "T9" at 5865,580 h38
  text "T10" at 5960,580 h38
  text "C" at 7373.95,561.71 h40
  text "C" at 4350,544.37 h40
  text "PORT A" at 622,258 h80
  text "Wired BMS Slave Ver. III-1" at 9334.05,85 h45
Bottom Overlay:
  drawing of 59 lines, arcs and shapes, not listed
Top Solder:
  region: 8125,2848 8075,2848 8075,2803 8125,2803
  region: 7896.55,2850 7825,2850 7825,2730 7896.55,2730
  region: 7646.55,2850 7575,2850 7575,2730 7646.55,2730
  region: 7396.55,2850 7325,2850 7325,2730 7396.55,2730
  region: 7146.55,2850 7075,2850 7075,2730 7146.55,2730
  region: 6896.55,2850 6825,2850 6825,2730 6896.55,2730
  region: 6646.55,2850 6575,2850 6575,2730 6646.55,2730
  region: 6396.55,2850 6325,2850 6325,2730 6396.55,2730
  region: 6146.55,2850 6075,2850 6075,2730 6146.55,2730
  region: 5896.55,2850 5825,2850 5825,2730 5896.55,2730
  region: 5646.55,2850 5575,2850 5575,2730 5646.55,2730
  region: 5396.55,2850 5325,2850 5325,2730 5396.55,2730
  region: 5146.55,2850 5075,2850 5075,2730 5146.55,2730
  region: 4953.45,2730 5025,2730 5025,2850 4953.45,2850
  region: 4698.91,2730 4770.45,2730 4770.45,2850 4698.91,2850
  region: 4444.36,2730 4515.91,2730 4515.91,2850 4444.36,2850
  region: 4189.82,2730 4261.36,2730 4261.36,2850 4189.82,2850
  region: 3935.27,2730 4006.82,2730 4006.82,2850 3935.27,2850
  region: 3680.73,2730 3752.27,2730 3752.27,2850 3680.73,2850
  region: 3426.18,2730 3497.73,2730 3497.73,2850 3426.18,2850
  region: 3171.64,2730 3243.18,2730 3243.18,2850 3171.64,2850
  region: 2917.09,2730 2988.64,2730 2988.64,2850 2917.09,2850
  region: 2662.55,2730 2734.09,2730 2734.09,2850 2662.55,2850
  region: 2408,2730 2479.55,2730 2479.55,2850 2408,2850
  region: 2175,2805 2225,2805 2225,2850 2175,2850
Mechanical 1:
  the board outline again, w30